# KiCad board poly_kb_wave_left2.kicad_pcb (continued)
## Routing (per net, layer and track width the routed paths; a pad name or vN(x,y) marks a point on that pad's centre or on a via; arc(x,y) is an arc through that point) (continued)
/K_B8/LED_DIN: length 201
  Top w0.3: 17.62,58.39 16.91,59.1 13.44,59.1 10.39,56.06 v2(10.39,49) ; v2(12.79,47.3) 12.95,47.15 48.78,47.15 51.08,49.45 67.68,49.45 70.18,51.95 89.35,51.95 91.69,49.6 105.19,49.6 112.49,42.3 118.69,42.3 123.18,37.82 137.48,37.82 139.29,36 159.59,36 160.49,35.1 164.59,35.1 167.59,38.1 170.08,38.1 174.29,42.32 174.29,43.49 173.53,44.25 167.62,46.4
  Bottom w0.3: v2(10.39,49) 12.09,47.3 v2(12.79,47.3)
/K_B8/VCOMH: length 5.3
  Bottom w0.3: J29.13 168.45,44.92 168.88,45.35 170.65,45.35 171.75,46.45 C4_29.1
/K_B/C1N: length 5.3
  Bottom w0.3: J27.5 117.85,59.15 116.84,60.15 114.39,60.15 C6_27.2
/K_B/C1P: length 5.9
  Bottom w0.3: C6_27.1 112.97,60.21 113.47,59.7 116.66,59.7 117.35,59.01 J27.4
/K_B/C2N: length 6.1
  Bottom w0.3: C5_27.2 112.97,58.3 114.08,57.19 116.47,57.19 116.85,57.56 J27.3
/K_B/C2P: length 4.3
  Bottom w0.3: J27.2 116.35,57.7 116.3,57.65 114.37,57.65 113.93,58.1 C5_27.1
/K_B/CS: length 83.1
  Top w0.3: v2(127.54,58.58) 126.78,59.34 v2(119.16,59.34)
  In1.Cu w0.3: v2(127.79,49.7) 127.59,49.9 127.59,58.53 v2(127.54,58.58) ; v2(90.99,32.4) 92.65,34.05 92.65,41.45 96.69,45.5 v2(105.29,45.5)
  Bottom w0.3: R1_27.2 v2(127.54,58.58) ; U7.5 79.42,24.99 82.23,27.8 86.39,27.8 v2(90.99,32.4) ; v2(127.79,49.7) 125.39,47.3 109.69,47.3 107.89,45.5 v2(105.29,45.5) ; J27.8 119.35,59.16 v2(119.16,59.34)
/K_B/LED_DIN: length 22.4
  Top w0.3: 120.56,60.17 121.23,60.17 121.59,59.8 132.95,59.8 139.92,52.83
/K_B/LED_DOUT: length 17.8
  Top w0.3: 117.63,58.39 116.82,59.2 111.99,59.2 111.19,60 110.29,60 108.04,62.25 101.81,62.25 101.51,62.55
/K_B/VCOMH: length 5.2
  Bottom w0.3: J27.13 121.85,59.06 122.95,60.15 123.73,60.15 125,61.43 125,61.84
/K_C/C1N: length 5.3
  Bottom w0.3: C6_25.2 76.29,64.92 78.74,64.92 79.75,63.91 J25.5
/K_C/C1P: length 5.9
  Bottom w0.3: C6_25.1 74.87,64.97 75.37,64.47 78.56,64.47 79.25,63.77 J25.4
/K_C/C2N: length 6.1
  Bottom w0.3: C5_25.2 74.87,63.06 75.98,61.95 78.37,61.95 78.75,62.33 J25.3
/K_C/C2P: length 4.3
  Bottom w0.3: J25.2 78.25,62.46 78.2,62.42 76.27,62.42 75.83,62.87 C5_25.1
/K_C/CS: length 63.8
  Top w0.3: v2(81.06,64.11) 88.68,64.11 v2(89.44,63.35)
  In1.Cu w0.254: v2(75.39,32.9) 85.64,32.9 90.39,37.65 90.39,55.35 89.44,56.3 v2(89.44,63.35)
  Bottom w0.254: v2(75.39,32.9) 74.89,32.4 74.89,30.39 78.42,26.87 U7.3
  Bottom w0.3: J25.8 81.25,63.92 v2(81.06,64.11) ; R1_25.2 v2(89.44,63.35)
/K_C/LED_DIN: length 17.8
  Top w0.3: 98.58,60.77 98.4,60.77 96.3,62.87 91.89,62.87 90.16,64.6 83.59,64.6 83.26,64.93 82.46,64.93
/K_C/LED_DOUT: length 17.4
  Top w0.254: 63.41,62.55 63.68,62.28 72.48,62.28 74.29,64.1 77.89,64.1 78.84,63.15 79.53,63.15
/K_C/VCOMH: length 5.2
  Bottom w0.3: J25.13 83.75,63.82 84.85,64.92 85.63,64.92 86.9,66.2 C4_25.1
/K_D/C1N: length 5.3
  Bottom w0.3: J18.5 79.75,82.96 78.74,83.97 76.29,83.97 C6_18.2
/K_D/C1P: length 5.9
  Bottom w0.3: C6_18.1 74.87,84.02 75.37,83.52 78.56,83.52 79.25,82.82 J18.4
/K_D/C2N: length 6.1
  Bottom w0.3: C5_18.2 74.87,82.11 75.98,81 78.37,81 78.75,81.38 J18.3
/K_D/C2P: length 4.3
  Bottom w0.3: C5_18.1 75.83,81.92 76.27,81.47 78.2,81.47 78.25,81.51 J18.2
/K_D/CS: length 88.6
  Top w0.254: v2(89.69,71.2) 70.09,71.2 67.89,69 52.69,69 51.89,69.8 51.09,69.8 48.19,66.9 29.99,66.9 v2(27.79,64.7)
  Top w0.3: v2(89.44,82.4) 88.69,83.15 81.07,83.15 v2(81.06,83.16)
  In1.Cu w0.254: v2(89.69,71.2) 89.44,71.45 v2(89.44,82.4)
  Bottom w0.254: v2(27.79,64.7) 27.83,64.67 U6.3
  Bottom w0.3: v2(81.06,83.16) 81.25,82.97 J18.8 ; R1_18.2 v2(89.44,82.4)
/K_D/LED_DIN: length 17.8
  Top w0.3: 98.58,79.82 98.4,79.82 96.3,81.92 90.81,81.92 89.13,83.6 82.84,83.6 82.46,83.98
/K_D/LED_DOUT: length 18
  Top w0.254: 63.41,81.6 64.19,81.6 64.59,82 68.39,82 70.59,84.2 77.19,84.2 79.19,82.2 79.53,82.2
/K_D/VCOMH: length 5.2
  Bottom w0.3: J18.13 83.75,82.87 84.85,83.97 85.63,83.97 86.9,85.25 C4_18.1
/K_E/C1N: length 5.3
  Bottom w0.3: C6_11.2 76.29,103.02 78.74,103.02 79.75,102.01 J11.5
/K_E/C1P: length 5.9
  Bottom w0.3: C6_11.1 74.87,103.07 75.37,102.57 78.56,102.57 79.25,101.87 J11.4
/K_E/C2N: length 6.1
  Bottom w0.3: J11.3 78.75,100.43 78.37,100.05 75.98,100.05 74.87,101.16 C5_11.2
/K_E/C2P: length 4.3
  Bottom w0.3: J11.2 78.25,100.56 78.2,100.52 76.27,100.52 75.83,100.97 C5_11.1
/K_E/CS: length 89.5
  Top w0.254: v2(89.59,91.6) 87.69,89.7 75.29,89.7 73.19,87.6 52.77,87.6 50.66,85.5 37.63,85.5 35.83,87.3 28.49,87.3 27.69,86.5 v2(27.69,84.8)
  Top w0.3: v2(81.06,102.21) 88.68,102.21 v2(89.44,101.45)
  In1.Cu w0.254: v2(89.59,91.6) 89.39,91.8 89.39,101.4 v2(89.44,101.45)
  Bottom w0.254: U5.3 28.19,84.3 v2(27.69,84.8)
  Bottom w0.3: v2(81.06,102.21) 81.25,102.02 J11.8 ; R1_11.2 v2(89.44,101.45)
/K_E/LED_DIN: length 17.8
  Top w0.3: 98.58,98.87 98.4,98.87 96.3,100.97 91.09,100.97 89.36,102.7 82.79,102.7 82.46,103.03
/K_E/LED_DOUT: length 17.4
  Top w0.254: 63.41,100.65 63.66,100.4 72.09,100.4 73.89,102.2 78.19,102.2 79.14,101.25 79.53,101.25
/K_E/VCOMH: length 5.2
  Bottom w0.3: C4_11.1 86.9,104.3 85.63,103.02 84.85,103.02 83.75,101.92 J11.13
/K_F/C1N: length 5.3
  Bottom w0.3: J19.5 98.8,80.58 97.79,81.59 95.34,81.59 C6_19.2
/K_F/C1P: length 5.9
  Bottom w0.3: C6_19.1 93.92,81.64 94.42,81.13 97.61,81.13 98.3,80.44 J19.4
/K_F/C2N: length 6.1
  Bottom w0.3: J19.3 97.8,78.99 97.42,78.62 95.03,78.62 93.92,79.73 C5_19.2
/K_F/C2P: length 4.3
  Bottom w0.3: C5_19.1 94.88,79.53 95.32,79.09 97.25,79.09 97.3,79.13 J19.2
/K_F/CS: length 110.9
  Top w0.254: v2(27.68,65.72) 30.26,68.3 35.68,68.3 v2(36.48,67.5)
  Top w0.3: v2(108.49,80.02) 107.73,80.78 v2(100.11,80.78)
  In1.Cu w0.254: v2(108.55,67.72) 108.59,67.76 108.59,79.92 v2(108.49,80.02)
  Bottom w0.254: v2(27.68,65.72) 28.23,65.17 U6.4 ; v2(108.55,67.72) 107.67,68.6 90.79,68.6 88.29,71.1 69.76,71.1 67.26,68.6 58.39,68.6 58.39,68.6 53.39,68.6 51.09,66.3 37.68,66.3 v2(36.48,67.5)
  Bottom w0.3: J19.8 100.3,80.59 v2(100.11,80.78) ; R1_19.2 v2(108.49,80.02)
/K_F/LED_DIN: length 17.8
  Top w0.3: 117.63,77.44 117.45,77.44 115.35,79.54 110.49,79.54 108.8,81.23 101.89,81.23 101.51,81.6
/K_F/VCOMH: length 5.2
  Bottom w0.3: C4_19.1 105.95,82.86 104.68,81.59 103.9,81.59 102.8,80.49 J19.13
/K_G/C1N: length 5.3
  Bottom w0.3: J20.5 117.85,78.2 116.84,79.2 114.39,79.2 C6_20.2
/K_G/C1P: length 5.9
  Bottom w0.3: C6_20.1 112.97,79.26 113.47,78.75 116.66,78.75 117.35,78.06 J20.4
/K_G/C2N: length 6.1
  Bottom w0.3: C5_20.2 112.97,77.35 114.08,76.24 116.47,76.24 116.85,76.61 J20.3
/K_G/C2P: length 4.3
  Bottom w0.3: J20.2 116.35,76.75 116.3,76.7 114.37,76.7 113.93,77.15 C5_20.1
/K_G/CS: length 129.1
  Top w0.254: v2(27.69,66.6) 29.79,68.7 36.14,68.7 v2(37.23,67.61)
  Top w0.3: v2(119.16,78.39) 126.78,78.39 v2(127.54,77.63)
  In1.Cu w0.3: v2(127.54,77.63) 127.54,67.04 v2(127.6,66.99)
  Bottom w0.254: v2(27.69,66.6) 28.63,65.67 U6.5 ; v2(127.6,66.99) 125.88,66.99 125.29,66.4 110.69,66.4 108.09,69 90.99,69 88.49,71.5 69.59,71.5 67.1,69.01 53.23,69.01 50.92,66.7 38.14,66.7 v2(37.23,67.61)
  Bottom w0.3: R1_20.2 v2(127.54,77.63) ; v2(119.16,78.39) 119.35,78.21 J20.8
/K_G/LED_DIN: length 17.4
  Top w0.3: 120.56,79.22 121.58,79.22 121.89,78.9 128.66,78.9 129.29,79.54 134.4,79.54 136.5,77.44 136.68,77.44
/K_G/VCOMH: length 5.2
  Bottom w0.3: J20.13 121.85,78.11 122.95,79.2 123.73,79.2 125,80.48 C4_20.1
/K_L1/C1N: length 5.3
  Bottom w0.3: J1.5 17.84,116.3 16.83,117.3 14.37,117.3 C6_1.2
/K_L1/C1P: length 5.9
  Bottom w0.3: C6_1.1 12.95,117.36 13.46,116.85 16.64,116.85 17.34,116.16 J1.4
/K_L1/C2N: length 6.1
  Bottom w0.3: C5_1.2 12.95,115.45 14.07,114.34 16.46,114.34 16.84,114.71 J1.3
/K_L1/C2P: length 4.3
  Bottom w0.3: J1.2 16.34,114.85 16.29,114.8 14.36,114.8 13.91,115.25 C5_1.1
/K_L1/CS: length 31.7
  Top w0.3: v2(19.15,116.49) 26.77,116.49 v2(27.53,115.73)
  In2.Cu w0.254: v2(27.53,115.73) 27.22,115.43 27.22,101.87 28.69,100.4 30.89,100.4 31.59,101.1 v2(31.59,102.1)
  Bottom w0.254: U4.15 31.41,102.29 v2(31.59,102.1)
  Bottom w0.3: v2(19.15,116.49) 19.34,116.31 J1.8 ; R1_1.2 v2(27.53,115.73)
/K_L1/LED_DOUT: length 140
  Top w0.254: v2(138.79,99.5) 139.61,98.68 139.61,98.27 ; 17.62,115.54 17.62,112.38 19.89,110.1 33.49,110.1 36.59,113.2 39.79,113.2 42.59,110.4 50.99,110.4 56.09,115.5 59.29,115.5 61.99,112.8 68.29,112.8 69.69,114.2 71.99,114.2 73.79,112.4 73.79,111 75.69,109.1 86.69,109.1 88.99,106.8 105.69,106.8 108.19,104.3 123.89,104.3 126.09,102.1 v2(131.19,102.1)
  Bottom w0.254: v2(131.19,102.1) 132.49,100.8 137.49,100.8 v2(138.79,99.5)
/K_L1/VCOMH: length 5.2
  Bottom w0.3: J1.13 21.84,116.21 22.93,117.3 23.71,117.3 24.99,118.58 24.99,118.99
/K_L2/C1N: length 5.3
  Bottom w0.3: J8.5 17.84,97.25 16.83,98.25 14.37,98.25 C6_8.2
/K_L2/C1P: length 5.9
  Bottom w0.3: J8.4 17.34,97.11 16.64,97.8 13.46,97.8 12.95,98.31 C6_8.1
/K_L2/C2N: length 6.1
  Bottom w0.3: C5_8.2 12.95,96.4 14.07,95.29 16.46,95.29 16.84,95.66 J8.3
/K_L2/C2P: length 4.3
  Bottom w0.3: C5_8.1 13.91,96.2 14.36,95.75 16.29,95.75 16.34,95.8 J8.2
/K_L2/CS: length 27.5
  Top w0.3: v2(19.15,97.44) 26.77,97.44 v2(27.53,96.68)
  In1.Cu w0.3: v2(27.53,96.68) 28.74,95.47 28.74,84 29.75,83 v3(31.16,83)
  Bottom w0.3: U5.15 31.45,83.28 v3(31.16,83) ; v2(19.15,97.44) 19.34,97.26 J8.8 ; R1_8.2 v2(27.53,96.68)
/K_L2/LED_DIN: length 21.6
  Top w0.3: 41.43,96.49 41.25,96.49 39.72,98.02 20.8,98.02 20.55,98.27
/K_L2/LED_DOUT: length 166.4
  Top w0.254: 91.74,71.05 93.69,69.1 108.59,69.1 111.29,66.4 140.09,66.4 141.39,67.7 141.39,70.6 142.19,71.4 143.59,71.4 147.29,75.1 147.29,77.9 146.26,78.94 140.58,78.94 140.3,79.22 139.61,79.22 ; 91.74,71.05 91.49,71.3 ; 91.74,71.05 91.01,71.79 89.07,71.79 88.89,71.61 69.96,71.61 67.36,74.21 63.29,74.21 60.8,76.7 v2(57.59,76.7) ; v2(53.39,83.4) 50.69,83.4 49.09,81.8 37.49,81.8 v2(36.69,82.6) ; v2(22.19,89.6) 19.99,91.8 18.49,91.8 17.62,92.68 17.62,96.49
  In1.Cu w0.254: v2(57.59,76.7) 57.59,79.2 v2(53.39,83.4)
  Bottom w0.254: v2(36.69,82.6) 31.79,82.6 31.19,82 27.49,82 25.69,83.8 25.69,85.5 24.59,86.6 23.69,86.6 22.19,88.1 v2(22.19,89.6)
/K_L2/VCOMH: length 5.2
  Bottom w0.3: J8.13 21.84,97.16 22.93,98.25 23.71,98.25 24.99,99.53 C4_8.1
/K_L3/C1N: length 5.3
  Bottom w0.3: C6_15.2 14.37,79.2 16.83,79.2 17.84,78.2 J15.5
/K_L3/C1P: length 5.9
  Bottom w0.3: J15.4 17.34,78.06 16.64,78.75 13.46,78.75 12.95,79.26 C6_15.1
/K_L3/C2N: length 6.1
  Bottom w0.3: C5_15.2 12.95,77.35 14.07,76.24 16.46,76.24 16.84,76.61 J15.3
/K_L3/C2P: length 4.3
  Bottom w0.3: J15.2 16.34,76.75 16.29,76.7 14.36,76.7 13.91,77.15 C5_15.1
/K_L3/CS: length 30.3
  Top w0.3: v2(19.15,78.39) 26.77,78.39 v2(27.53,77.63)
  In1.Cu w0.254: v2(27.53,77.63) 27.53,74.37 29.84,72.05 29.84,69.25 29.09,68.5 29.09,63.05 29.69,62.45 v3(30.74,62.45)
  Bottom w0.254: v3(30.74,62.45) 30.74,62.53 31.41,63.2 U6.15
  Bottom w0.3: J15.8 19.34,78.21 v2(19.15,78.39) ; R1_15.2 v2(27.53,77.63)
/K_L3/LED_DOUT: length 190.1
  Top w0.3: v2(11.39,79.8) 14.59,79.8 16.96,77.44 17.62,77.44 ; v2(144.69,53.6) 144.42,53.88 143.18,53.88 ; v2(132.29,44.7) 130.49,42.9 112.59,42.9 105.29,50.2 91.89,50.2 89.69,52.4 69.99,52.4 67.49,49.9 50.59,49.9 48.44,47.76 13.32,47.76 v2(12.78,48.29)
  In1.Cu w0.3: v2(144.69,53.6) 142.69,51.6 134.09,51.6 132.29,49.8 v2(132.29,44.7)
  Bottom w0.3: v2(12.78,48.29) 9.69,51.38 9.69,62.5 11.59,64.4 11.59,67.16 9.29,69.46 9.29,78.5 10.59,79.8 v2(11.39,79.8)
/K_L3/VCOMH: length 5.2
  Bottom w0.3: C4_15.1 24.99,80.48 23.71,79.2 22.93,79.2 21.84,78.11 J15.13
/K_L4/C1N: length 5.3
  Bottom w0.3: J22.5 17.84,59.15 16.83,60.15 14.37,60.15 C6_22.2
/K_L4/C1P: length 5.9
  Bottom w0.3: C6_22.1 12.95,60.21 13.46,59.7 16.64,59.7 17.34,59.01 J22.4
/K_L4/C2N: length 6.1
  Bottom w0.3: J22.3 16.84,57.56 16.46,57.19 14.07,57.19 12.95,58.3 C5_22.2
/K_L4/C2P: length 4.3
  Bottom w0.3: J22.2 16.34,57.7 16.29,57.65 14.36,57.65 13.91,58.1 C5_22.1
/K_L4/CS: length 110.7
  Top w0.3: v2(19.15,59.34) 19.24,59.25 27.13,59.25 v2(27.79,58.58)
  In1.Cu w0.3: v2(12.89,39.9) 12.14,40.65 12.14,55.2 13.44,56.5 16.31,56.5 v2(19.15,59.34)
  Bottom w0.254: 16.59,37.9 17.19,37.9 18.04,37.05 22.14,37.05 27.29,31.9 27.29,29.75 34.04,23 68.49,23 70.24,21.25 72.24,21.25 72.59,20.9 77.59,20.9 77.92,21.23 U7.15
  Bottom w0.3: v2(12.89,39.9) 12.99,39.9 14.99,37.9 16.59,37.9 ; v2(19.15,59.34) 19.34,59.16 J22.8 ; R1_22.2 v2(27.79,58.58)
/K_L4/LED_DIN: length 22.3
  Top w0.3: 20.55,60.17 21.02,59.7 29.59,59.7 30.38,60.49 39.15,60.49 41.25,58.39 41.43,58.39
/K_L4/VCOMH: length 5.2
  Bottom w0.3: J22.13 21.84,59.06 22.93,60.15 23.71,60.15 24.99,61.43 24.99,61.84
/K_L6/C1N: length 5.3
  Bottom w0.3: C6_7.2 133.44,117.3 135.89,117.3 136.9,116.3 J7.5
/K_L6/C1P: length 5.9
  Bottom w0.3: J7.4 136.4,116.16 135.71,116.85 132.52,116.85 132.02,117.36 C6_7.1
/K_L6/C2N: length 6.1
  Bottom w0.3: C5_7.2 132.02,115.45 133.13,114.34 135.52,114.34 135.9,114.71 J7.3
/K_L6/C2P: length 4.3
  Bottom w0.3: C5_7.1 132.98,115.25 133.42,114.8 135.35,114.8 135.4,114.85 J7.2
/K_L6/CS: length 148
  Top w0.254: v2(125.11,103.92) 125.12,103.9 139.19,103.9 141.29,106 141.29,110.44 v2(146.59,115.73)
  Top w0.3: v2(146.59,115.73) 145.83,116.49 v2(138.21,116.49)
  Bottom w0.254: 28.19,106.9 28.19,105.65 28.85,104.99 U4.6 ; 28.19,106.9 28.19,107.3 ; 28.19,106.9 28.19,109 28.78,109.59 31.51,109.59 37.19,103.9 48.89,103.9 49.28,104.29 54.83,104.29 56.84,106.3 73.49,106.3 75.78,108.59 87.61,108.59 89.89,106.3 109.99,106.3 112.38,103.92 v2(125.11,103.92)
  Bottom w0.3: v2(138.21,116.49) 138.4,116.31 J7.8 ; R1_7.2 v2(146.59,115.73)
/K_L6/VCOMH: length 5.2
  Bottom w0.3: J7.13 140.9,116.21 142,117.3 142.78,117.3 144.05,118.58 144.05,118.99
/K_L7/C1N: length 5.3
  Bottom w0.3: C6_14.2 133.44,98.25 135.89,98.25 136.9,97.25 J14.5
/K_L7/C1P: length 5.9
  Bottom w0.3: J14.4 136.4,97.11 135.71,97.8 132.52,97.8 132.02,98.31 C6_14.1
/K_L7/C2N: length 6.1
  Bottom w0.3: C5_14.2 132.02,96.4 133.13,95.29 135.52,95.29 135.9,95.66 J14.3
/K_L7/C2P: length 4.3
  Bottom w0.3: J14.2 135.4,95.8 135.35,95.75 133.42,95.75 132.98,96.2 C5_14.1
/K_L7/CS: length 154.4
  Top w0.3: v2(138.21,97.44) 142.77,97.44 143.53,96.68 v2(146.59,96.68)
  In1.Cu w0.3: v2(146.59,96.68) 147.41,96.68 148.19,95.9 148.19,84 v2(147.19,83)
  Bottom w0.254: v2(147.19,83) 145.29,84.9 112.29,84.9 109.91,87.29 93.46,87.29 91.15,89.6 75.99,89.6 73.58,87.19 56.48,87.19 54.18,84.89 36.86,84.89 32.36,89.39 29.48,89.39 28.61,88.51 28.61,86.24 29.04,85.8 U5.6
  Bottom w0.3: v2(138.21,97.44) 138.4,97.26 J14.8 ; R1_14.2 v2(146.59,96.68)
/K_L7/LED_DOUT: length 16.9
  Top w0.3: 136.68,96.49 135.51,96.49 134.79,97.2 128.09,97.2 127.29,98 121.79,98 121.53,98.27 120.56,98.27
/K_L7/VCOMH: length 5.2
  Bottom w0.3: C4_14.1 144.05,99.53 142.78,98.25 142,98.25 140.9,97.16 J14.13
/K_L8/C1N: length 5.3
  Bottom w0.3: J21.5 136.9,78.2 135.89,79.2 133.44,79.2 C6_21.2
/K_L8/C1P: length 5.9
  Bottom w0.3: C6_21.1 132.02,79.26 132.52,78.75 135.71,78.75 136.4,78.06 J21.4
/K_L8/C2N: length 6.1
  Bottom w0.3: C5_21.2 132.02,77.35 133.13,76.24 135.52,76.24 135.9,76.61 J21.3
/K_L8/C2P: length 4.3
  Bottom w0.3: C5_21.1 132.98,77.15 133.42,76.7 135.35,76.7 135.4,76.75 J21.2
/K_L8/CS: length 150.4
  Top w0.254: v2(35.99,69.5) 35.29,70.2 28.69,70.2 27.69,69.2 v2(27.69,68.6)
  Top w0.3: v2(146.59,77.63) 145.83,78.39 v2(138.21,78.39)
  In1.Cu w0.254: v2(146.59,77.63) 146.59,70.5 v2(146.79,70.3)
  Bottom w0.254: v2(146.79,70.3) 142.85,66.36 125.93,66.36 125.57,66 110.5,66 109.42,67.08 108.3,67.08 107.19,68.19 90.59,68.19 88.09,70.69 74.79,70.69 72.29,68.19 56.4,68.19 56.39,68.2 54.09,65.89 37.21,65.89 35.89,67.2 35.89,67.93 35.99,68.03 v2(35.99,69.5) ; U6.6 28.78,66.17 28.39,66.55 28.39,67.9 v2(27.69,68.6)
  Bottom w0.3: R1_21.2 v2(146.59,77.63) ; v2(138.21,78.39) 138.4,78.21 J21.8
/K_L8/VCOMH: length 5.2
  Bottom w0.3: J21.13 140.9,78.11 142,79.2 142.78,79.2 144.05,80.48 C4_21.1
/K_L9/C1N: length 5.3
  Bottom w0.3: J28.5 140.31,53.52 139.56,54.73 137.18,55.3 C6_28.2
/K_L9/C1P: length 5.9
  Bottom w0.3: C6_28.1 135.81,55.68 136.18,55.08 139.28,54.33 139.79,53.5 J28.4
/K_L9/C2N: length 6.1
  Bottom w0.3: C5_28.2 135.36,53.83 136.19,52.49 138.51,51.93 138.96,52.21 J28.3
/K_L9/C2P: length 4.3
  Bottom w0.3: C5_28.1 136.25,53.41 136.58,52.87 138.45,52.42 138.51,52.46 J28.2
/K_L9/CS: length 117.5
  Top w0.3: v2(141.63,53.4) 149.04,51.62 v2(149.6,50.7)
  In2.Cu w0.3: v2(149.6,50.7) 148.1,49.2 148.1,29.41 145.09,26.4 v2(145.09,18.5)
  Bottom w0.3: J28.8 141.77,53.17 v2(141.63,53.4) ; U7.6 79.92,24.85 82.37,27.3 98.29,27.3 101.49,24.1 116.77,24.1 125.52,15.35 141.95,15.35 v2(145.09,18.5) ; R1_28.2 v2(149.6,50.7)
/K_L9/VCOMH: length 5.2
  Bottom w0.3: C4_28.1 147.8,54.07 146.26,53.12 145.5,53.3 144.17,52.49 J28.13
/K_Q/C1N: length 5.3
  Bottom w0.3: J9.5 41.65,97.25 40.64,98.25 38.19,98.25 C6_9.2
/K_Q/C1P: length 5.9
  Bottom w0.3: J9.4 41.15,97.11 40.46,97.8 37.27,97.8 36.77,98.31 C6_9.1
/K_Q/C2N: length 6.1
  Bottom w0.3: J9.3 40.65,95.66 40.27,95.29 37.88,95.29 36.77,96.4 C5_9.2
/K_Q/C2P: length 4.3
  Bottom w0.3: J9.2 40.15,95.8 40.1,95.75 38.17,95.75 37.73,96.2 C5_9.1
/K_Q/CS: length 47.7
  Top w0.254: v2(51.52,85.49) 51.12,85.09 38.83,85.09 37.24,83.5 30.69,83.5 30.23,83.04 v2(28.49,83.04)
  Top w0.3: v2(42.96,97.44) 43.06,97.35 50.68,97.35 v2(51.34,96.68)
  In1.Cu w0.254: v2(51.52,85.49) 51.34,85.66 v2(51.34,96.68)
  Bottom w0.254: v2(28.49,83.04) 29.68,83.04 U5.1
  Bottom w0.3: v2(42.96,97.44) 43.15,97.26 J9.8 ; R1_9.2 v2(51.34,96.68)
/K_Q/LED_DIN: length 17.5
  Top w0.3: 60.48,98.87 60.3,98.87 59.38,99.79 54.28,99.79 52.29,97.8 44.83,97.8 44.36,98.27
/K_Q/VCOMH: length 5.2
  Bottom w0.3: C4_9.1 48.8,99.53 47.53,98.25 46.75,98.25 45.65,97.16 J9.13
/K_R/C1N: length 5.3
  Bottom w0.3: J12.5 98.8,99.63 97.79,100.64 95.34,100.64 C6_12.2
/K_R/C1P: length 5.9
  Bottom w0.3: C6_12.1 93.92,100.69 94.42,100.18 97.61,100.18 98.3,99.49 J12.4
/K_R/C2N: length 6.1
  Bottom w0.3: C5_12.2 93.92,98.78 95.03,97.67 97.42,97.67 97.8,98.04 J12.3
/K_R/C2P: length 4.3
  Bottom w0.3: C5_12.1 94.88,98.58 95.32,98.14 97.25,98.14 97.3,98.18 J12.2
/K_R/CS: length 112.3
  Top w0.3: v2(108.49,99.07) 107.73,99.83 v2(100.11,99.83)
  In1.Cu w0.254: v2(108.59,89) 108.39,89.2 108.39,98.97 v2(108.49,99.07)
  Bottom w0.254: U5.4 28.69,84.8 27.79,85.7 27.79,88.85 29.14,90.2 32.7,90.2 37.19,85.7 48.79,85.7 51.09,88 73.09,88 75.69,90.6 91.29,90.6 93.69,88.2 107.79,88.2 v2(108.59,89)
  Bottom w0.3: J12.8 100.3,99.64 v2(100.11,99.83) ; R1_12.2 v2(108.49,99.07)
/K_R/LED_DIN: length 17.8
  Top w0.3: 117.63,96.49 117.45,96.49 115.35,98.59 110.31,98.59 108.62,100.28 101.89,100.28 101.51,100.65
/K_R/VCOMH: length 5.2
  Bottom w0.3: C4_12.1 105.95,101.91 104.68,100.64 103.9,100.64 102.8,99.54 J12.13
/K_S/C1N: length 5.3
  Bottom w0.3: C6_17.2 57.24,81.59 59.69,81.59 60.7,80.58 J17.5
/K_S/C1P: length 5.9
  Bottom w0.3: C6_17.1 55.82,81.64 56.32,81.13 59.51,81.13 60.2,80.44 J17.4
/K_S/C2N: length 6.1
  Bottom w0.3: J17.3 59.7,78.99 59.32,78.62 56.93,78.62 55.82,79.73 C5_17.2
/K_S/C2P: length 4.3
  Bottom w0.3: J17.2 59.2,79.13 59.15,79.09 57.22,79.09 56.78,79.53 C5_17.1
/K_S/CS: length 68.1
  Top w0.254: v2(27.69,63.7) 35.17,63.7 37.96,66.5 48.36,66.5 51.17,69.3 51.82,69.3 52.53,68.6 68.58,68.6 v2(70.49,70.51)
  Top w0.3: v2(70.39,80.02) 69.63,80.78 v2(62.01,80.78)
  In1.Cu w0.254: v2(70.49,70.51) 70.39,70.61 70.39,80.02 v2(70.39,80.02)
  Bottom w0.254: U6.2 28.16,64.17 v2(27.69,63.7)
  Bottom w0.3: J17.8 62.2,80.59 v2(62.01,80.78) ; R1_17.2 v2(70.39,80.02)
/K_S/VCOMH: length 5.2
  Bottom w0.3: J17.13 64.7,80.49 65.8,81.59 66.58,81.59 67.85,82.86 C4_17.1
/K_T/C1N: length 5.3
  Bottom w0.3: C6_13.2 114.39,98.25 116.84,98.25 117.85,97.25 J13.5
/K_T/C1P: length 5.9
  Bottom w0.3: J13.4 117.35,97.11 116.66,97.8 113.47,97.8 112.97,98.31 C6_13.1
/K_T/C2N: length 6.1
  Bottom w0.3: C5_13.2 112.97,96.4 114.08,95.29 116.47,95.29 116.85,95.66 J13.3
/K_T/C2P: length 4.3
  Bottom w0.3: J13.2 116.35,95.8 116.3,95.75 114.37,95.75 113.93,96.2 C5_13.1
/K_T/CS: length 131
  Top w0.3: v2(119.16,97.44) 126.78,97.44 v2(127.54,96.68)
  In1.Cu w0.254: v2(127.54,96.68) 127.49,96.64 127.49,86.9 v2(127.69,86.7)
  Bottom w0.254: U5.5 28.82,85.3 28.2,85.92 28.2,88.68 29.31,89.79 32.53,89.79 37.03,85.3 48.96,85.3 51.26,87.6 73.39,87.6 75.89,90.1 91.22,90.1 93.63,87.7 110.1,87.7 112.39,85.4 126.39,85.4 v2(127.69,86.7)
  Bottom w0.3: v2(119.16,97.44) 119.35,97.26 J13.8 ; R1_13.2 v2(127.54,96.68)
/K_T/VCOMH: length 5.2
  Bottom w0.3: J13.13 121.85,97.16 122.95,98.25 123.73,98.25 125,99.53 C4_13.1
/K_V/C1N: length 5.3
  Bottom w0.3: J26.5 98.8,61.53 97.79,62.54 95.34,62.54 C6_26.2
/K_V/C1P: length 5.9
  Bottom w0.3: C6_26.1 93.92,62.59 94.42,62.08 97.61,62.08 98.3,61.39 J26.4
/K_V/C2N: length 6.1
  Bottom w0.3: J26.3 97.8,59.94 97.42,59.57 95.03,59.57 93.92,60.68 C5_26.2
/K_V/C2P: length 4.3
  Bottom w0.3: J26.2 97.3,60.08 97.25,60.04 95.32,60.04 94.88,60.48 C5_26.1
/K_V/CS: length 61.6
  Top w0.3: v2(108.48,60.96) 107.71,61.73 v2(100.11,61.73)
  In1.Cu w0.3: v2(100.11,61.73) 95.52,61.73 92.19,58.4 92.19,34.5 v2(90.89,33.2)
  Bottom w0.3: v2(100.11,61.73) 100.3,61.54 J26.8 ; R1_26.2 108.47,60.97 v2(108.48,60.96) ; v2(90.89,33.2) 86.09,28.4 82.19,28.4 78.92,25.13 U7.4
/K_V/VCOMH: length 5.2
  Bottom w0.3: J26.13 102.8,61.44 103.9,62.54 104.68,62.54 105.95,63.81 C4_26.1
/K_W/C1N: length 5.3
  Bottom w0.3: J10.5 60.7,99.63 59.69,100.64 57.24,100.64 C6_10.2
/K_W/C1P: length 5.9
  Bottom w0.3: J10.4 60.2,99.49 59.51,100.18 56.32,100.18 55.82,100.69 C6_10.1
/K_W/C2N: length 6.1
  Bottom w0.3: J10.3 59.7,98.04 59.32,97.67 56.93,97.67 55.82,98.78 C5_10.2
/K_W/C2P: length 4.3
  Bottom w0.3: J10.2 59.2,98.18 59.15,98.14 57.22,98.14 56.78,98.58 C5_10.1
/K_W/CS: length 71.1
  Top w0.254: v2(70.49,89) 69.59,88.1 52.69,88.1 50.49,85.9 37.79,85.9 35.99,87.7 28.29,87.7 27.09,86.5 27.09,84.5 27.79,83.8 v2(27.89,83.8)
  Top w0.3: v2(62.01,99.83) 69.63,99.83 v2(70.39,99.07)
  In1.Cu w0.254: v2(70.49,89) 70.39,89.1 70.39,99.07 v2(70.39,99.07)
  Bottom w0.254: U5.2 v2(27.89,83.8)
  Bottom w0.3: R1_10.2 v2(70.39,99.07) ; J10.8 62.2,99.64 v2(62.01,99.83)
/K_W/VCOMH: length 5.2
  Bottom w0.3: J10.13 64.7,99.54 65.8,100.64 66.58,100.64 67.85,101.91 C4_10.1
/K_X/C1N: length 5.5
  Bottom w0.3: C6_24.2 57.24,62.54 59.96,62.54 60.7,61.8 J24.5
/K_X/C1P: length 5.7
  Bottom w0.3: J24.4 60.2,61.39 59.51,62.08 56.73,62.08 C6_24.1
/K_X/C2N: length 6.1
  Bottom w0.3: C5_24.2 55.82,60.68 56.93,59.57 59.32,59.57 59.7,59.94 J24.3
/K_X/C2P: length 4.3
  Bottom w0.3: C5_24.1 56.78,60.48 57.22,60.04 59.15,60.04 59.2,60.08 J24.2
/K_X/CS: length 53.1
  Top w0.3: v2(70.39,60.97) 69.63,61.73 v2(62.01,61.73)
  In1.Cu w0.254: v2(70.59,31.45) 70.59,32.1 68.97,33.73 68.97,45.17 70.59,46.8 70.59,48.8 70.39,49 v2(70.39,60.97)
  Bottom w0.254: 73.92,28.13 77.68,24.37 U7.2 ; 73.92,28.13 74.89,27.16 ; 73.92,28.13 v2(70.59,31.45)
  Bottom w0.3: v2(62.01,61.73) 62.2,61.54 J24.8 ; R1_24.2 v2(70.39,60.97)
/K_X/LED_DOUT: length 17.2
  Top w0.254: 44.36,60.17 44.63,59.9 52.89,59.9 54.49,61.5 58.69,61.5 59.42,60.77 60.48,60.77
/K_X/VCOMH: length 5.2
  Bottom w0.3: C4_24.1 67.85,63.81 66.58,62.54 65.8,62.54 64.7,61.44 J24.13
/K_Z/C1N: length 5.3
  Bottom w0.3: J23.5 41.65,59.15 40.64,60.15 38.19,60.15 C6_23.2
/K_Z/C1P: length 5.7
  Bottom w0.3: J23.4 41.15,59.01 40.46,59.7 37.68,59.7 C6_23.1
/K_Z/C2N: length 6.1
  Bottom w0.3: C5_23.2 36.77,58.3 37.88,57.19 40.27,57.19 40.65,57.56 J23.3
/K_Z/C2P: length 4.3
  Bottom w0.3: J23.2 40.15,57.7 40.1,57.65 38.17,57.65 37.73,58.1 C5_23.1
/K_Z/CS: length 70.4
  Top w0.3: v2(51.34,58.58) 50.58,59.34 v2(42.96,59.34)
  In1.Cu w0.254: v2(51.34,58.58) 51.34,43.55 50.29,42.5 50.29,29.6 51.39,28.5 v2(51.39,27.4)
  Bottom w0.254: v2(51.39,27.4) 55.24,23.55 U7.1
  Bottom w0.3: R1_23.2 v2(51.34,58.58) ; J23.8 43.15,59.16 v2(42.96,59.34)
/K_Z/VCOMH: length 5.2
  Bottom w0.3: 48.8,61.84 48.8,61.43 47.53,60.15 46.75,60.15 45.65,59.06 J23.13
/RpPico/GPIO6: length 25.3
  In1.Cu w0.229: v3(167.57,104.34) 166.22,105.69 166.22,107.9 164.55,109.58 164.28,109.58 163.53,110.33 162.69,110.33 161.66,111.37 154.63,111.37 v2(153.89,112.1)
  Bottom w0.229: v3(167.57,104.34) 167.38,104.15 165.92,104.15 ; U10.8 165.92,104.15 ; 165.92,104.15 166.09,104.15
  Bottom w0.254: v2(153.89,112.1) 152.7,113.3 152.7,115.68 R1.1
/RpPico/GPIO7: length 29.4
  In1.Cu w0.229: v2(151.49,110.5) 151.66,110.33 153.99,110.33 ; 152.98,110.33 152.98,110.33 153.99,110.33 ; 153.99,110.33 153.99,110.33 161.49,110.33 162.72,109.1 164.29,109.1 165.84,107.55 165.84,105.22 167.38,103.68 v3(167.38,103.63)
  Bottom w0.229: U10.9 167.27,103.75 v3(167.38,103.63)
  Bottom w0.254: R2.1 150.62,115.55 150.62,112.63 151.49,111.76 v2(151.49,110.5)
/RpPico/GPIO24: length 11.7
  Top w0.229: v2(154.09,106.7) 154.35,106.45 154.35,105.15 153.8,104.6 v2(153.69,104.6)
  Bottom w0.229: U10.36 156.68,104.55 156.33,104.2 155.66,104.2 154.89,104.96 154.06,104.96 v2(153.69,104.6) ; R15.1 155.33,109.49 R8.2 154.09,109.24 v2(154.09,106.7)
/RpPico/QSPI_SCLK: length 9.7
  Top w0.229: v2(163.19,109.74) 162.44,110.49 162.44,111.55 162.69,111.8 162.69,112.98 162.79,113.08 163.16,113.08 163.28,112.95 163.28,111.22 v2(162.96,110.9)
  Bottom w0.229: U10.52 162.75,109.3 v2(163.19,109.74) ; v2(162.96,110.9) 163.1,110.9 163.6,111.4 U9.6
